# Allegro board pc065a_toplevel_58.brd (continued)
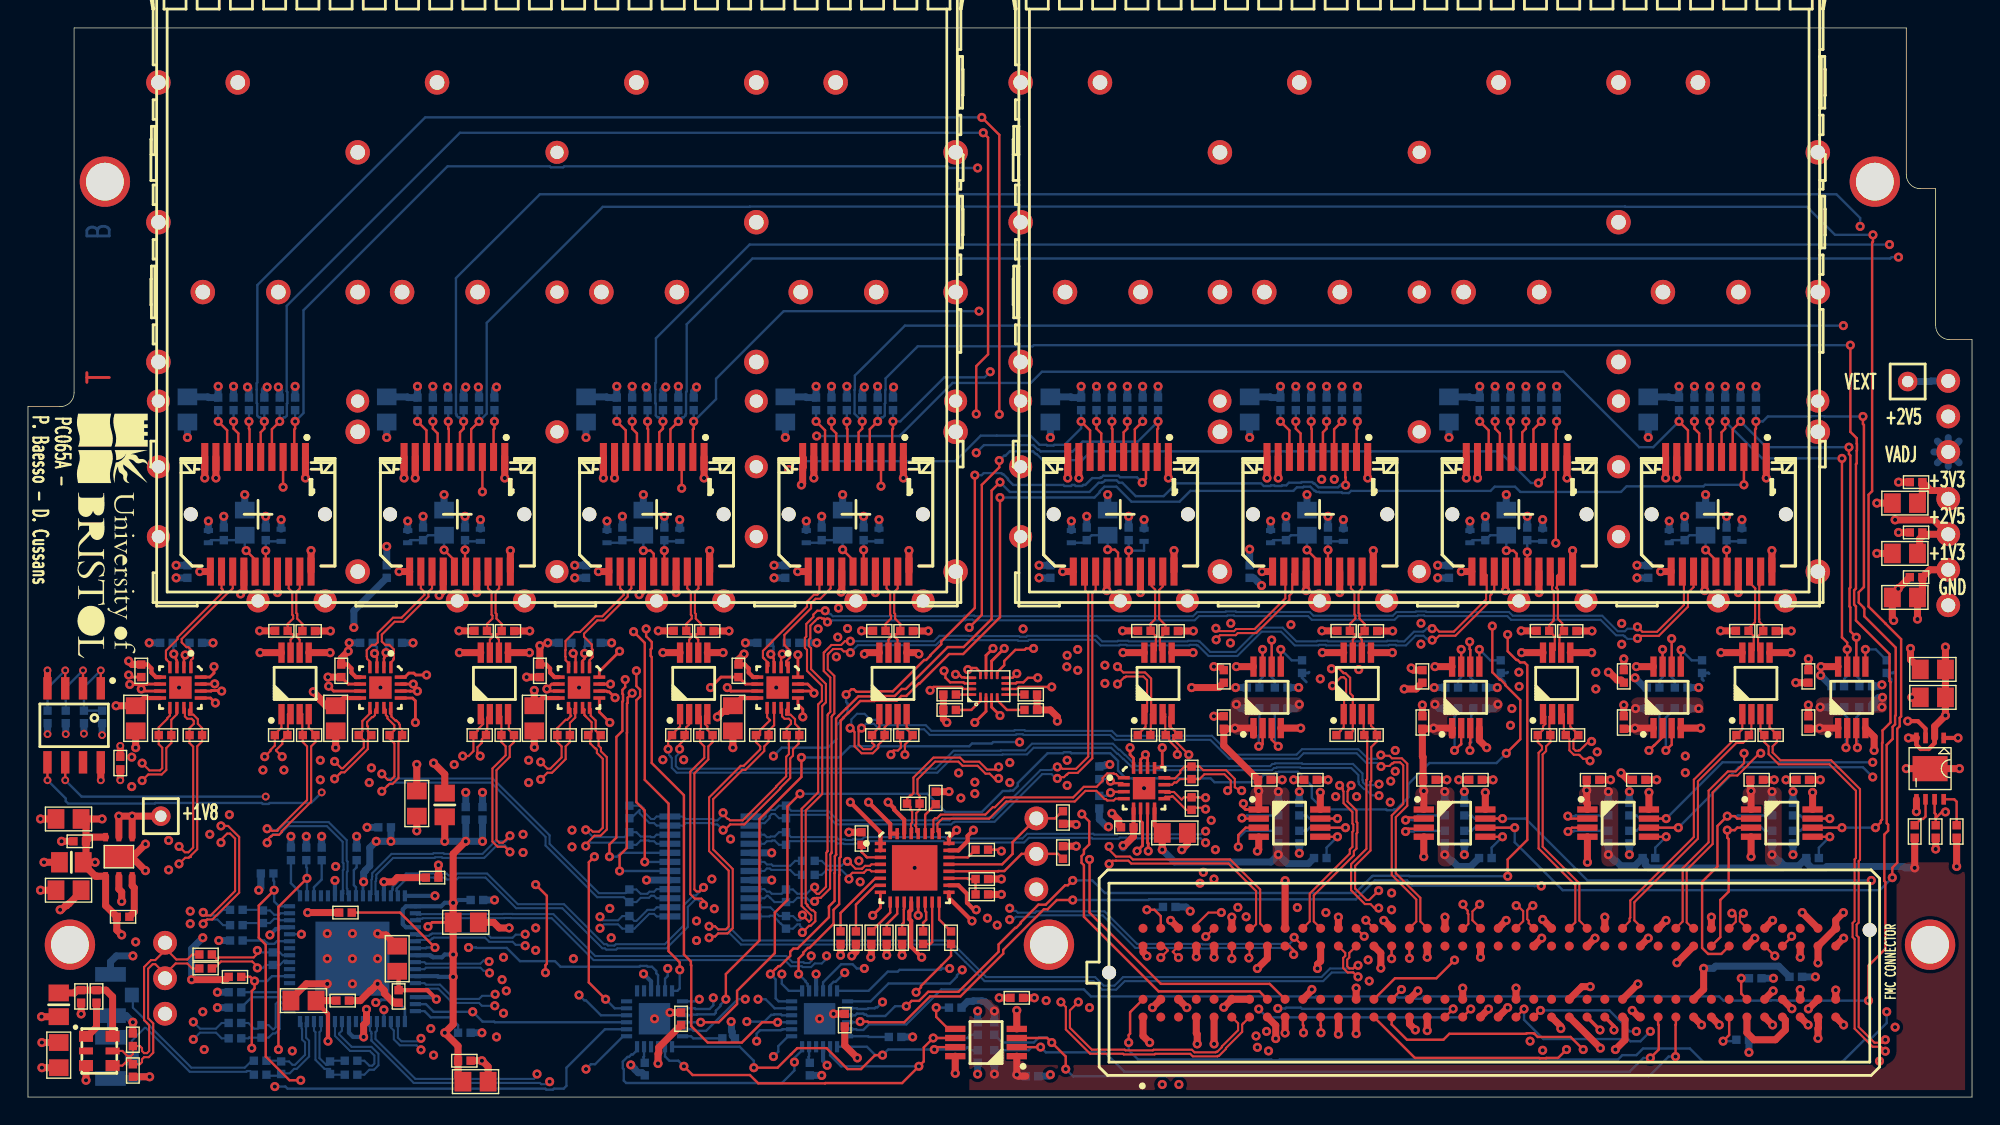
[diagram p0: board, top side]
## Routing (per net, layer and track width the routed paths; a pad name or vN(x,y) marks a point on that pad's centre or on a via; arc(x,y) is an arc through that point) (continued)
  BOTTOM w0.3: IC10.9 v2(56.35,8.8) ; v2(44.01,8.81) 44.55,8.28 IC23.9
  BOTTOM w0.5: C53.1 v2(58.25,43.1) ; C74.1 v2(72.3,38.05) ; C40.1 v2(25.65,39.4) ; R32.1 v2(56.75,1.55) ; C34.1 v2(15.5,43.1) ; C69.1 v2(87.35,39.2) ; C52.1 v2(59.75,41.55) ; C71.1 v2(92.95,41.55) ; C14.1 v2(32.5,21.8) ; C41.1 v2(25.65,47.2) ; R185.1 v2(124.8,8.5) ; C59.1 v2(115.05,38.05) ; R204.2 v1(2.7,25.97) ; C66.1 v2(107.2,41.55) ; C45.1 v2(39.1,38.05) ; v2(7.5,5.35) 7.03,5.83 PX2.2 PX1.3 ; C42.1 v2(31.25,41.55) ; C11.1 v2(31.3,21.8) ; R31.1 v2(63.25,4.3) ; C61.1 v2(121.45,41.55) ; R10.1 v2(13.65,11.2) ; C46.1 v2(39.9,47.2) ; v2(8.7,1.45) 8.02,1.45 7.89,1.33 PX1.2 ; C54.1 v2(56.75,41.55) ; C49.1 v2(42.5,41.55) ; R20.1 v2(13.55,6.4) ; C50.1 v2(53.35,38.05) ; C78.1 v2(75.7,41.55) ; C68.1 v2(104.2,41.55) ; C31.1 v2(10.6,38.05) ; C48.1 v2(44,43.1) ; R203.2 v1(1.4,25.97) ; R184.1 v2(123.05,3.2) ; R19.1 v2(23.5,18.65) ; C13.1 v2(24.25,19.3) ; C72.1 v2(91.45,43.1) ; C62.1 v2(119.95,43.1) ; C47.1 v2(45.5,41.55) ; R21.1 v2(13.55,7.5) ; C77.1 v2(77.2,43.1) ; R18.1 v2(32.45,4.6) ; C63.1 v2(118.45,41.55) ; C9.1 v2(33.35,14.1) ; C43.1 v2(29.75,43.1) ; C70.1 v2(87.35,47.2) ; C32.1 v2(11.4,47.2) ; PX2.3 5.9,9.68 6.32,10.1 v2(7.5,10.1) ; v2(83.1,13.3) 82.8,13.6 R30.1 ; C75.1 v2(73.1,47.2) ; C65.1 v2(101.6,47.2) ; C35.1 v2(14,41.55) ; C67.1 v2(105.7,43.1) ; R181.1 43.91,1.74 43.63,1.74 43.39,1.98 43.39,2.01 v2(43.1,2.3) ; C33.1 v2(17,41.55) ; C60.1 v2(115.85,47.2) ; v2(73.1,1.6) 73,1.5 C79.1 ; R202.2 v1(4,26) ; C51.1 v2(54.15,47.2) ; C76.1 v2(78.7,41.55) ; R12.1 v2(21,18.65) ; C64.1 v2(100.8,38.05) ; C44.1 v2(28.25,41.55) ; R11.1 v2(18.8,18.65) ; C73.1 v2(89.95,41.55) ; 51.7,17.48 v2(53.17,17.48)
  vias: v2(7.42,24.32) v2(7.42,22.22) v2(10.06,18.36) v2(10.06,16.26) v2(11.6,13.3) v2(11.6,12.4) v2(12.5,6.1) v2(12.6,3.4) v2(13,18.8) v2(14.4,20.2) v2(16.8,23.4) v2(18.3,23.4) v2(20.9,24.1) v2(20.9,22.7) v2(21.4,11.7) v2(21.4,9.9) v2(23.2,11.7) v2(23.2,9.9) v2(23.2,8.1) v2(24.4,22.5) v2(24.56,23.55) v2(25,9.9) v2(25.2,29.3) v2(28.8,4.9) v2(29,3) v2(30.48,23.79) v2(33.9,8.4) v2(34,10) v2(34,6) v2(34.2,7.6) v2(35.4,18.8) v2(35.4,17.5) v2(35.8,24.1) v2(35.8,22.5) v2(36.3,12.1) v2(36.3,10.5) v2(38.9,19.1) v2(38.9,17.9) v2(39.4,29.3) v2(41.6,13.5) v2(41.7,11.4) v2(44.8,5.6) v2(45.39,24.14) v2(46.88,24.14) v2(47.8,12.6) v2(47.8,11.2) v2(48.9,15.6) v2(49.07,13.47) v2(50.23,18.46) v2(56.5,33.5) v2(56.6,5.6) v2(57.8,31.5) v2(57.95,34.99) v2(57.9,32.91) v2(59.41,16.9) v2(59.5,15.4) v2(63.4,16.4) v2(66.54,23.19) v2(66.7,21.4) v2(68.6,12.8) v2(69.3,12.3) v2(70.2,23.93) v2(70.2,22.5) v2(72.8,6.9) v2(74.3,24.1) v2(74.3,22.3) v2(75.06,32.03) v2(75.06,30.54) v2(75.9,6.4) v2(77,30.9) v2(77,29.6) v2(79.8,22.1) v2(84.6,19.8) v2(84.8,15.6) v2(84.9,17.7) v2(86,33.9) v2(85.98,32.49) v2(88.56,4.7) v2(88.7,3.3) v2(92.4,29.92) v2(93.5,21.5) v2(95,21.5) v2(95.15,30.59) v2(95.82,9.81) v2(95.9,8.3) v2(97.43,22.6) v2(97.4,21.1) v2(97.5,14.6) v2(97.5,13.4) v2(97.76,24.8) v2(97.76,23.31) v2(99.6,33.9) v2(99.59,32.41) v2(112.2,24.7) v2(113.95,33.89) v2(113.95,32.4) v2(132.38,2.57) v2(133.5,5)
